# KiCad board beaglebone-ai-rev-a2.kicad_pcb (continued)
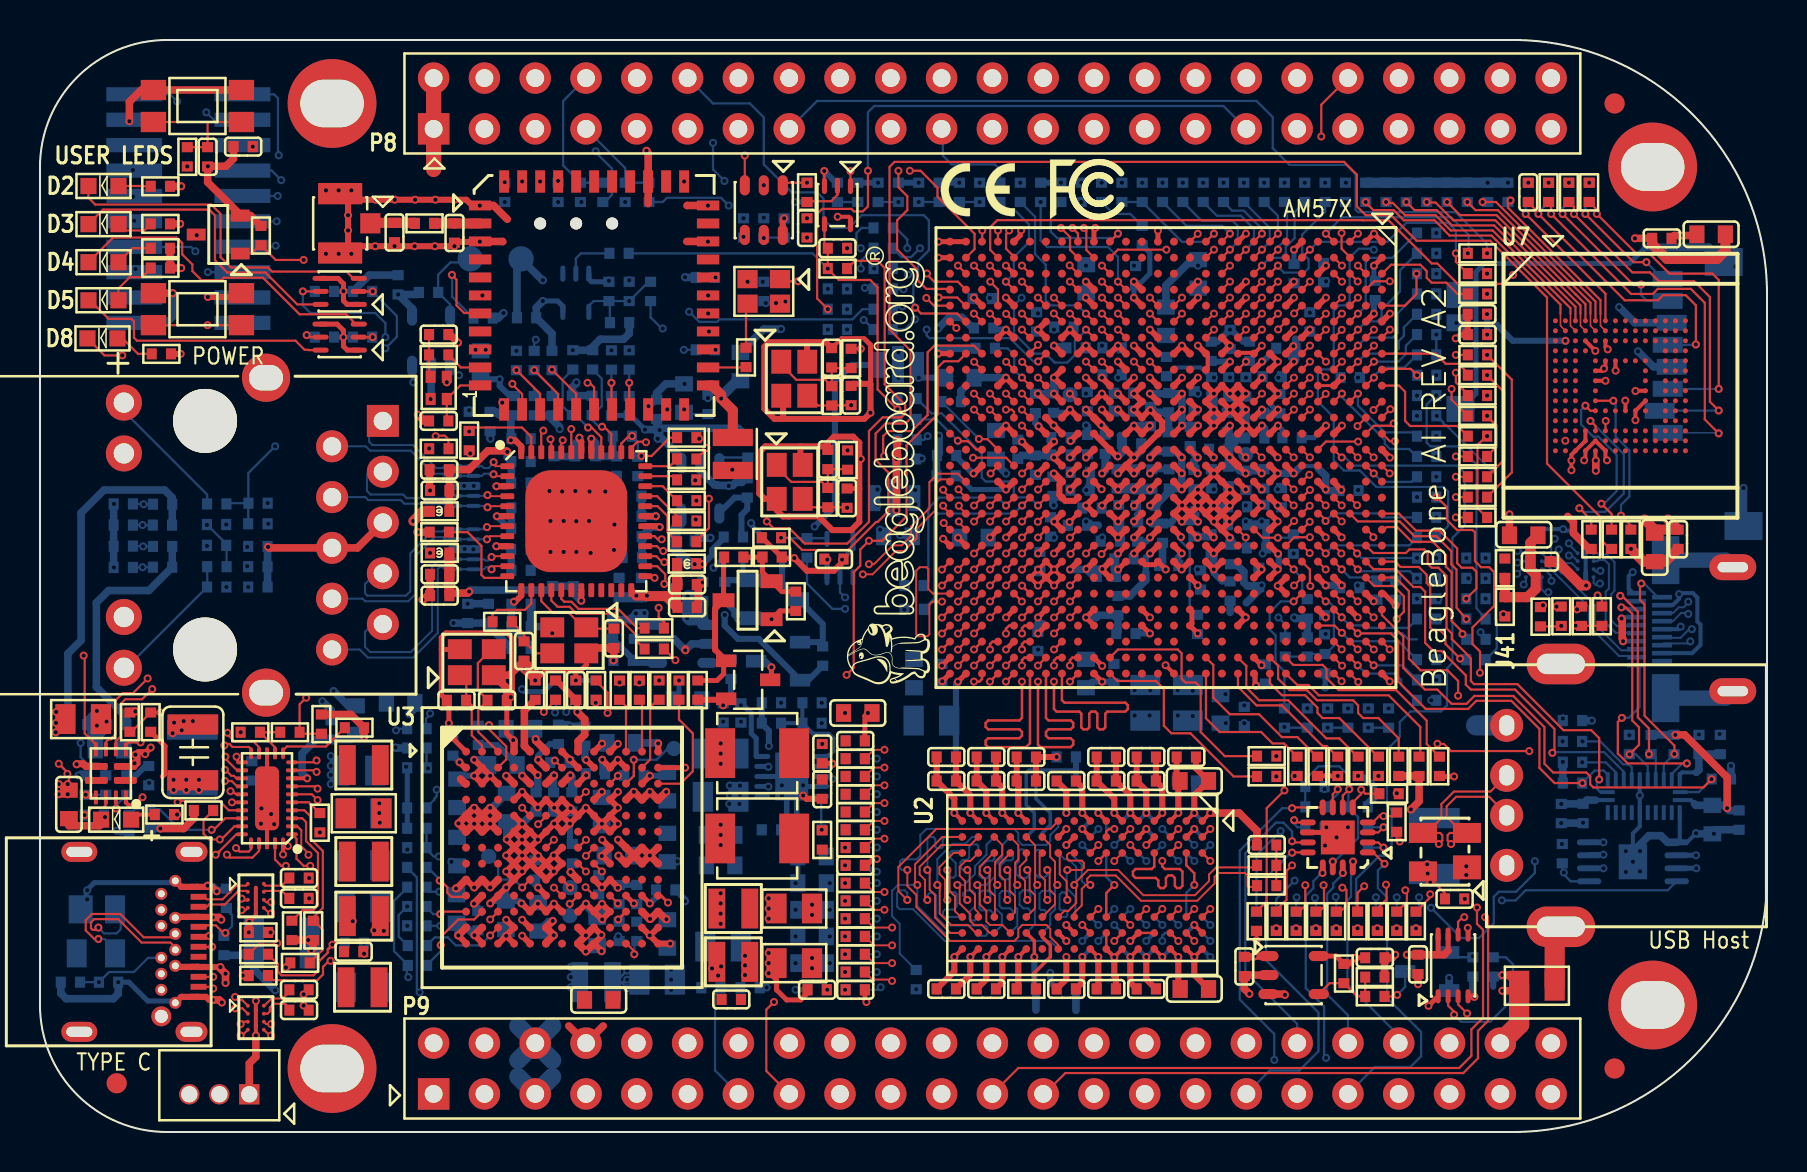
[diagram p0: board, top side]
## Routing (per net, layer and track width the routed paths; a pad name or vN(x,y) marks a point on that pad's centre or on a via; arc(x,y) is an arc through that point) (continued)
/USB/CP2: length 11.6
  TOP w0.114: v1(5.03,19.48) 4.42,19.48 4.29,19.36 U12.3
  INT_L3 w0.102: v1(5.03,19.48) 5.03,20.65 6.02,21.64 6.02,27.36 v1(5.13,28.24)
  BOTTOM w0.114: R75.2 v1(5.13,28.24) 5.12,28.23 R77.1
/USB/CUR_MD: length 6.8
  TOP w0.114: R41.2 13.13,11.1 13.67,11.1 13.9,11.33 13.9,13.95 13.31,14.55 13.31,15.5 13.12,15.69 U13.3
/USB/DIR: length 3.7
  TOP w0.114: U13.11 12.15,19.09 12.34,19.28 14.3,19.28 R45.2
/USB/ENn_CC: length 5.6
  TOP w0.114: v1(12.29,13.31) 12.06,13.31 11.75,13.62 U13.29 ; R50.1 v1(11.53,9.98)
  INT_L3 w0.102: v1(11.53,9.98) 11.48,9.98 11.15,10.31 11.15,11.97 12.29,13.11 v1(12.29,13.31)
/USB/ENn_MUX: length 2.4
  TOP w0.114: U13.12 11.75,19.24 R46.1 R47.2
/USB/ILM: length 1.6
  TOP w0.114: v1(2.24,15.85) 2.59,16.21 3.15,16.21 3.29,16.35 U12.10
/USB/INT/OUT3: length 6.4
  TOP w0.114: v1(8.59,15.11) 8.69,15.11 9.26,15.69 U13.23
  BOTTOM w0.114: v1(8.59,15.11) 7.01,15.11 5.98,16.14 R53.2 4.74,16.14 R69.1
/USB/OV1: length 14.1
  TOP w0.114: v1(5.38,22.68) 4.65,21.95 4.14,21.95 3.78,21.59 3.78,19.89 3.53,19.63 3.43,19.63 3.29,19.5 U12.5
  INT_L3 w0.102: v1(5.13,30.35) 4.44,29.67 4.44,27.81 5.36,26.9 5.36,22.71 v1(5.38,22.68)
  BOTTOM w0.114: R554.2 v1(5.13,30.35) R73.1
/USB/OV2: length 13.1
  TOP w0.114: v1(5.61,22.15) 5.11,21.64 4.27,21.64 4.04,21.41 4.04,19.79 3.79,19.54 U12.4
  INT_L3 w0.102: v1(5.61,22.15) 5.79,22.33 5.79,26.9 4.72,27.97 4.72,28.85 v1(5.16,29.29)
  BOTTOM w0.114: R76.2 v1(5.16,29.29) 5.14,29.3 R78.1
/USB/PORT: length 9.3
  TOP w0.114: R191.1 14.15,9.12 14.15,10.11 13.69,10.56 R35.2 13.67,10.73 14.14,11.2 14.14,14.05 13.55,14.65 13.55,15.76 13.22,16.09 U13.4
/USB/PR1: length 14.8
  TOP w0.114: v1(2.18,23.83) 2.24,23.77 2.24,19.94 2.79,19.38 U12.6
  INT_L3 w0.102: v1(2.18,23.83) 2.92,24.56 2.92,29.13 v1(5.18,31.39)
  BOTTOM w0.114: R72.1 5.17,31.41 v1(5.18,31.39) R71.2
/USB/SCL: length 8.8
  TOP w0.114: U13.26 10.55,14.14 10.44,14.02 9.98,14.02 v1(9.8,14.2) ; R48.1 10.92,9.37 11.79,9.37 11.85,9.44 v1(11.86,9.44)
  INT_L3 w0.102: v1(9.8,14.2) 9.8,13.13 10.85,12.09 10.85,9.93 11.4,9.37 11.79,9.37 11.85,9.44 v1(11.86,9.44)
/USB/SDA: length 9.4
  TOP w0.114: R49.1 v1(10.13,7.82) ; v1(8.79,13.87) 8.8,13.88 8.88,13.88 8.96,13.96 8.96,14.03 9.82,14.89 U13.25
  INT_L3 w0.102: v1(8.79,13.87) 8.79,13.82 8,13.03 8,10.82 8.89,9.93 8.89,9.8 9.11,9.58 9.22,9.58 10.13,8.66 v1(10.13,7.82)
/USB/SS: length 1.5
  TOP w0.114: v1(3.81,16.18) 3.79,16.2 U12.11
  BOTTOM w0.114: v1(3.81,16.18) 3.81,16.33 C44.1
/USB/SSRX1+: length 4.7
  TOP w0.109: U88.A3 10.37,11.58 10.2,11.58 10.11,11.67 v1(10.08,11.67)
  SIG_L10 w0.114: v1(10.08,11.67) 10.06,11.65 9.89,11.65 9.61,11.37 8.25,11.37 7.98,11.64 6.33,11.64 6.07,11.91
  SIG_L10 w0.203: J42.B11 6.07,11.91
/USB/SSRX1-: length 4.6
  TOP w0.109: U88.A4 10.27,11.09 10.12,11.09 10.11,11.1 v1(10.08,11.1)
  SIG_L10 w0.114: v1(10.08,11.1) 10.06,11.07 9.9,11.07 9.87,11.11 9.86,11.1 8.14,11.1 7.87,11.37 6.33,11.37 6.07,11.11
  SIG_L10 w0.203: J42.B10 6.07,11.11
/USB/SSRX1N_A: length 14.1
  TOP w0.109: U13.14 10.95,19.25 10.69,19.51 9.75,19.51 9.72,19.55 9.71,19.55 9.38,19.88 v1(9.38,19.96) ; U88.C4 11.48,10.92 v1(11.56,10.92)
  SIG_L10 w0.114: v1(9.38,19.96) 9.29,19.88 8.72,19.88 8.34,19.5 8.34,16.58 10.77,14.15 10.77,11.34 11.04,11.07 11.43,11.07 11.56,10.95 v1(11.56,10.92) 11.6,10.92
/USB/SSRX1P_A: length 14
  TOP w0.109: v1(9.22,19.34) 9.29,19.41 9.47,19.41 9.63,19.25 10.44,19.25 10.55,19.14 U13.15 ; U88.C3 11.31,11.49 v1(11.56,11.49)
  SIG_L10 w0.114: v1(11.56,11.49) 11.4,11.34 11.15,11.34 11.04,11.46 11.04,11.97 11.15,12.08 11.34,12.08 11.46,12.2 11.46,12.43 11.34,12.54 11.15,12.54 11.04,12.66 11.04,12.88 11.15,13 11.32,13 11.43,13.11 11.43,13.34 11.32,13.46 11.15,13.46 11.04,13.57 11.04,14.26 8.61,16.69 8.61,17.49 8.84,17.72 8.84,17.94 8.61,18.17 8.61,18.4 8.84,18.63 8.84,18.86 8.61,19.09 8.61,19.39 8.83,19.61 9.11,19.61 9.22,19.5 v1(9.22,19.34)
/USB/SSRX2+: length 5.8
  TOP w0.109: v1(8.66,7.18) 8.58,7.26 J42.A11 7.88,7.26 ; U89.A3 10.14,5.52 10.03,5.41 v1(10.03,5.4)
  SIG_L10 w0.114: v1(8.66,7.18) 8.66,7.26 8.53,7.39 8.34,7.39 8.23,7.28 8.23,6.4 8.74,5.89 8.95,5.89 9.13,6.06 9.29,6.06 9.45,5.9 9.45,5.74 9.26,5.55 9.26,5.39 9.41,5.25 9.88,5.25 v1(10.03,5.4)
/USB/SSRX2-: length 5.9
  TOP w0.109: v1(8.66,7.76) 8.66,7.76 J42.A10 7.88,7.76 ; U89.A4 10.11,4.83 v1(10.03,4.83)
  SIG_L10 w0.114: v1(8.66,7.76) 8.56,7.66 8.23,7.66 7.96,7.39 7.96,6.29 9.27,4.98 9.88,4.98 v1(10.03,4.83)
/USB/SSRX2N_A: length 18.2
  TOP w0.109: v1(9.25,18.11) 9.27,18.11 9.57,17.81 9.7,17.81 9.82,17.69 U13.18 ; U89.C4 11.48,4.83 v1(11.56,4.83)
  SIG_L8 w0.109: v1(9.25,18.11) 9.35,18 11.1,18 13.05,16.05 13.05,9.75 13.05,9.75 13.05,7.34 12.67,6.95 12.67,5.71 11.96,5 11.73,5 v1(11.56,4.83)
/USB/SSRX2P_A: length 18.1
  TOP w0.109: U89.C3 11.31,5.4 v1(11.56,5.4) ; v1(9.25,17.55) 9.59,17.55 9.85,17.29 U13.19
  SIG_L8 w0.109: v1(11.56,5.4) 11.65,5.3 11.84,5.3 12.37,5.83 12.37,6.19 12.26,6.3 12.17,6.3 12.06,6.41 12.06,6.62 12.17,6.73 12.26,6.73 12.37,6.84 12.37,7.08 12.75,7.46 12.75,9.87 12.75,9.87 12.75,15.92 12.3,16.38 12.14,16.38 12.08,16.32 11.93,16.32 11.77,16.47 11.77,16.63 11.83,16.69 11.83,16.84 11.68,17 11.52,17 11.46,16.94 11.31,16.94 11.15,17.09 11.15,17.25 11.21,17.31 11.21,17.46 10.97,17.7 9.4,17.7 v1(9.25,17.55)
/USB/SSTX1+: length 2.9
  TOP w0.109: U88.A1 10.3,12.32 9.82,12.32 9.13,11.64 8.35,11.64 8.23,11.76 J42.A2 7.88,11.76
/USB/SSTX1-: length 2.9
  TOP w0.109: U88.A2 10.35,12.06 9.92,12.06 9.24,11.38 8.45,11.38 8.34,11.26 J42.A3 7.88,11.26
/USB/SSTX1N_A: length 1.5
  TOP w0.109: U88.C2 11.24,12.06 12.1,12.06 C444.1
/USB/SSTX1N_C: length 11.1
  TOP w0.109: v1(9.83,18.77) 9.83,18.6 9.94,18.49 10.1,18.49
  SIG_L10 w0.114: v1(13.46,11.68) 13.44,11.71 13.44,11.94 13.55,12.06 13.88,12.06 14.16,12.34 14.16,14.31 13.63,14.83 13.63,16.16 11.54,18.25 11.22,18.25 11.01,18.47 10.76,18.47 10.55,18.25 9.99,18.25 9.72,18.53 9.72,18.69 9.8,18.77 v1(9.83,18.77)
/USB/SSTX1P_A: length 1.5
  TOP w0.109: U88.C1 11.19,12.38 11.26,12.32 12.09,12.32 C443.1
/USB/SSTX1P_C: length 11.1
  TOP w0.109: v1(9.27,18.77) 9.27,18.67 9.85,18.09 U13.17
  SIG_L10 w0.114: v1(9.27,18.77) 9.27,18.6 9.88,17.98 11.43,17.98 13.37,16.05 13.37,14.72 13.89,14.2 13.89,12.45 13.77,12.33 13.55,12.33 13.44,12.44 13.44,12.67 v1(13.46,12.7)
/USB/SSTX2+: length 8.9
  TOP w0.109: U89.A1 10.11,6.6 9.91,6.6 v1(9.75,6.76)
  SIG_L10 w0.114: J42.B2 6.54,7.58 6.72,7.58 6.83,7.47 6.83,7.24 6.93,7.14 7.09,7.14 7.19,7.24 7.19,7.57 7.49,7.87 7.49,8.2 7.91,8.62 10.18,8.62 10.62,8.18 10.62,7.44 9.93,6.76 v1(9.75,6.76)
/USB/SSTX2-: length 9
  TOP w0.109: U89.A2 10.13,6.18 v1(9.75,6.18)
  SIG_L10 w0.114: J42.B3 6.07,7.91 6.12,7.85 7.09,7.85 7.23,7.98 7.23,8.31 7.8,8.88 10.3,8.88 10.88,8.29 10.88,7.33 9.75,6.2 v1(9.75,6.18)
/USB/SSTX2N_A: length 1.8
  TOP w0.109: U89.C2 11.38,5.92 11.49,6.03 11.49,6.22 11.68,6.41 12.26,6.41 12.47,6.2 C445.1
/USB/SSTX2N_C: length 15.1
  TOP w0.109: C445.2 13.21,6.32 v1(13.18,6.32) ; v1(9.52,17.04) 9.64,17.04 9.79,16.89 U13.20
  SIG_L10 w0.114: v1(13.18,6.32) 13.18,6.35 13.37,6.54 13.59,6.54 14.01,6.96 14.01,7.81 13.02,8.79 13.02,14.56 12.73,14.86 12.73,15.7 11.52,16.9 9.66,16.9 v1(9.52,17.04)
/USB/SSTX2P_A: length 1.7
  TOP w0.109: C446.1 12.47,7.01 12.14,6.68 11.58,6.68 11.22,6.31 U89.C1
/USB/SSTX2P_C: length 15
  TOP w0.109: v1(13.18,6.88) 13.21,6.88 C446.2 ; v1(9.6,16.48) 9.6,16.49 U13.21
  SIG_L10 w0.114: v1(13.18,6.88) 13.26,6.81 13.26,6.81 13.48,6.81 13.74,7.07 13.74,7.7 13.45,7.99 13.28,7.99 13.18,7.89 13.02,7.89 12.85,8.05 12.85,8.21 12.96,8.32 12.96,8.48 12.76,8.68 12.76,14.45 12.46,14.75 12.46,15.59 11.41,16.64 10.69,16.64 10.57,16.52 10.57,16.32 10.46,16.21 10.23,16.21 10.12,16.32 10.12,16.52 10,16.64 9.75,16.64 v1(9.6,16.48)
/WiFi/LPO_IN_32K: length 1.9
  TOP w0.114: R576.2 35.29,38.23 U37.24
/WiFi/MMC4_DATA0_R: length 2.7
  TOP w0.114: v1(28.58,37.47) 28.58,36.17 U37.18
  BOTTOM w0.114: R564.2 v1(28.58,37.47) R336.2
/WiFi/MMC4_DATA1_R: length 2.7
  TOP w0.114: U37.19 29.46,36.18 v1(29.46,37.47)
  BOTTOM w0.114: R565.2 v1(29.46,37.47) R337.2
/WiFi/MMC4_DATA2_R: length 4.1
  TOP w0.114: U37.14 25.01,36.91 v1(23.83,38.1)
  BOTTOM w0.114: R561.2 24.71,37.21 v1(23.83,38.1)
/WiFi/MMC4_DATA3_R: length 4.1
  TOP w0.114: v1(24.71,38.1) 25.91,36.9 U37.15
  BOTTOM w0.114: v1(24.71,38.1) 25.6,37.21 R562.2
/WiFi/WIFI/BT_VDDIO: length 1.4
  BOTTOM w0.114: v1(32.21,36.13) 32.21,36.13 C3.1 32.3,35.9 R611.1
/WiFi/WIFI_LDO_IN: length 4.6
  TOP w0.508: U37.23 33.6,37.33 34.06,36.87 v1(34.06,36.68) 34.65,36.09 L30.2
  BOTTOM w0.508: C464.1 34.85,37.57 34.06,36.78 v1(34.06,36.68)
/WiFi/WIFI_LDO_OUT: length 5
  TOP w0.381: U37.21 v1(31.37,36.13)
  SIG_L5 w0.508: v1(34.62,33.12) 34.62,33.83 33.15,35.31 32.2,35.31 v1(31.37,36.13)
/WiFi/X4_XTAL_IN: length 1.9
  TOP w0.114: U37.10 21.05,38.23 R294.2
/WiFi/X4_XTAL_IN_R: length 2.1
  TOP w0.114: C463.1 R294.1 19.46,37.84 X4.3
/WiFi/X4_XTAL_OUT: length 3.1
  TOP w0.114: U37.11 21.02,37.33 X4.1 20.34,35.64 C68.1
A3_GPIO4_27: length 5.3
  TOP w0.114: R682.1 70.89,41.91 70.32,42.47 69.59,42.47 69.34,42.72 69.34,43.05 69.02,43.37 67.56,43.37 67.12,42.93 U4.A3
A5_VOUT1_D12: length 3
  TOP w0.114: v1(68.83,42.93) 68.83,41.91 68.25,41.33 U4.A5
A7_GPIO8_18: length 34.6
  TOP w0.114: U4.A7 v1(67.5,40.13)
  SIG_L8 w0.102: P8.17 40,50.1 41.08,49.02 43.69,49.02 44.2,48.51 46.86,48.51 47.43,47.94 47.43,47.54 48.87,46.1 53.72,46.1 54,45.82 61.05,45.82 61.46,45.41 61.46,43.98 61.76,43.68 62.11,43.68 62.29,43.5 62.29,42.42 62.61,42.1 62.86,42.1 63.12,41.85 63.12,40.72 63.33,40.51 67.12,40.51 v1(67.5,40.13)
A8_GPIO8_19: length 4.8
  TOP w0.114: R667.1 71.4,37.95 70.93,38.42 70.29,38.42 69.79,38.92 U4.A8
A9_GPIO8_21: length 1.9
  TOP w0.114: v1(68.86,37.85) 68.54,38.16 67.37,38.16 67.33,38.12 U4.A9
A10_GPIO8_23: length 6.2
  TOP w0.114: R665.1 70.89,35.31 68.52,35.31 68.26,35.56 68.26,37.02 67.96,37.32 U4.A10
A11_SPI3_D1: length 28.2
  TOP w0.114: v1(66.22,12.29) 65.89,11.96 R643.1 ; U4.A11 v1(66.68,36.1)
  SIG_L10 w0.102: v1(66.68,36.1) 66.68,34.5 66.29,34.11 66.29,33.55 66.52,33.32 66.88,33.32 67.06,33.15 67.06,32.39 67.67,31.78 67.67,30.86 68.45,30.07 68.45,20.54 66.52,18.61 66.52,17.22 66.81,16.93 66.81,16.07 66.32,15.57 66.32,12.42 66.22,12.32 v1(66.22,12.29)
A12_SPI3_CS0: length 57.3
  TOP w0.114: U4.A12 v1(67.52,36.15)
  SIG_L5 w0.102: v1(67.52,36.15) 69.25,34.42 71.22,34.42 71.93,33.71 71.93,30.81 72.82,29.92 72.82,28.12 73.55,27.39 73.55,27.13 73.57,27.13 73.76,26.93 73.76,25.5 72.39,24.13 72.39,22.73 71.93,22.28 71.93,12.17 72.69,11.4 72.69,10.62 71.58,9.5 70.05,9.5 68.94,10.62 65.67,10.62 65.51,10.45 65.51,9.06 63.88,7.43 63.88,6.58 62.89,5.59 57.09,5.59 56.52,5.02 56.52,3.94 55.94,3.37 53.78,3.37 P9.28
A13_TIMER10: length 50.4
  TOP w0.114: v1(67.75,34.54) 67.5,34.54 67.12,34.93 U4.A13
  SIG_L8 w0.102: P8.10 31.05,51.5 31.05,49.53 31.62,48.96 33.02,48.96 33.91,48.07 37.21,48.07 38.19,47.09 45.3,47.09 46.86,45.53 49.78,45.53 50.86,44.45 55.14,44.45 55.84,43.74 56.48,43.74 56.71,43.97 58.15,43.97 59.23,42.88 59.65,42.88 59.89,42.64 59.89,39.99 60.71,39.18 60.71,38.35 60.9,38.16 61.21,38.16 61.47,37.91 61.47,37.59 61.72,37.34 62.04,37.34 62.29,37.08 62.29,36.77 62.55,36.51 62.86,36.51 63.12,36.26 63.12,35.94 63.37,35.69 63.69,35.69 63.88,35.5 63.88,35.12 64.07,34.93 66.23,34.93 66.61,34.54 v1(67.75,34.54)
A21_UART8_TXD: length 7.9
  TOP w0.114: v1(71.02,23.67) 70.28,24.41 70.28,24.82 70,25.1 69.65,25.1 69.52,25.22 69.52,27.28 69.34,27.46 69.34,27.86 68.95,28.26 68.03,28.26 67.77,28.53 U4.A21
  BOTTOM w0.114: v1(71.02,23.67) 71.07,23.62 R627.1
A22_SPI2_CS1: length 52.8
  TOP w0.114: U4.A22 67.78,27.73 68.45,27.05 68.45,23.67 69.04,23.09 70.38,23.09 70.91,22.56 v1(70.91,21.82) ; v1(71.86,11.23) 71.86,10.41 72.16,10.11 72.16,5.72 71.58,5.13 71.58,3.81 70.97,3.2 48.92,3.2 P9.23
  SIG_L5 w0.102: v1(70.91,21.82) 71.42,21.31 71.42,14.02 70.87,13.46 70.87,12.45 71.09,12.22 71.22,12.22 71.91,11.53 71.91,11.28 v1(71.86,11.23)
A26_UART3_RXD: length 5.1
  TOP w0.114: U4.A26 v1(67.49,24.13)
  INT_L3 w0.102: v1(67.49,24.13) 67.49,23.3 67.12,22.92 65.79,22.92 65.47,22.61 65.47,21.25 v1(65.41,21.18)
AB5_MMC3_DATA7: length 34.8
  TOP w0.114: U4.AB5 v1(49.9,41.73)
  SIG_L8 w0.102: v1(49.9,41.73) 49.66,41.73 49.28,41.34 46.39,41.34 45.21,42.52 42.11,42.52 42.01,42.62 40.18,42.62 39.83,42.27 39.83,41.96 39.65,41.78 38.05,41.78 36.32,43.51 35.84,43.51 33.96,45.39 31.93,45.39 29.72,47.6 27.84,47.6 25.93,49.5 25.93,50.93 25.37,51.49 23.44,51.49 P8.4
AB8_MMC3_DATA6: length 34.5
  TOP w0.114: v1(49.91,38.53) 49.92,38.53 49.92,38.54 U4.AB8
  SIG_L8 w0.102: v1(44.34,40.13) 44.17,40.13 44.04,40.26 42.7,40.26 41.96,41 40.89,41 40.69,40.79 35.6,40.79 35,41.39 35,43.18 34.24,43.94 32.46,43.94 29.36,47.04 27.44,47.04 25.95,48.54 23.85,48.54 P8.3
  BOTTOM w0.114: v1(44.34,40.13) 44.34,39.84 44.48,39.7 48.5,39.7 49.66,38.54 49.91,38.54 49.9,38.54 49.92,38.54 49.92,38.53 v1(49.91,38.53)
AB10_GPIO6_12: length 51.1
  TOP w0.114: U4.AB10 v1(49.9,37.73)
  SIG_L8 w0.102: v1(33.07,7.21) 33.42,6.86 36.85,6.86 37.21,6.5 v1(40.21,6.5)
  SIG_L10 w0.102: v1(49.9,37.73) 50.35,37.28 50.35,36.78 50.56,36.57 51.75,36.57 51.89,36.42 51.89,34.41 51.65,34.16 43.84,34.16 42.24,32.57 42.24,30.94 40.79,29.49 40.79,27.94 39.88,27.03 39.88,19.23 40.28,18.82 40.28,15.39 40.79,14.88 40.79,6.81 40.49,6.5 v1(40.21,6.5)
AC3_MMC3_DATA3: length 32.6
  TOP w0.114: U4.AC3 v1(49.1,43.33)
  SIG_L8 w0.102: v1(49.1,43.33) 48.7,42.93 46.53,42.93 46.3,43.15 46.3,43.89 45.11,45.09 40.54,45.09 39.5,44.04 37.54,44.04 36.44,45.15 36.09,45.15 35.74,45.5 35.74,45.9 35.53,46.1 34.8,46.1 34.65,45.95 32.98,45.95 32.77,46.16 32.77,47.69 32.51,47.94 27.94,47.94 26.19,49.7 26.19,51.35 24.83,52.71 P8.6
AC4_MMC3_CMD: length 15.7
  TOP w0.114: U4.AC4 v1(49.1,42.53)
  INT_L3 w0.102: P8.20 43.81,51.44 43.81,49.59 44.58,48.83 45.73,48.83 46.66,47.9 48.23,47.9 48.59,47.55 48.59,47.24 49.17,46.66 49.17,46.13 49.53,45.78 49.53,44.27 48.75,43.49 48.75,42.88 v1(49.1,42.53)
AC6_MMC3_DATA1: length 15.9
  TOP w0.114: U4.AC6 v1(49.1,40.93)
  INT_L3 w0.102: P8.24 46.42,51.5 46.42,49.34 47.05,48.7 49.09,48.7 49.66,48.13 49.66,46.36 50.01,46 50.01,42.39 49.53,41.91 49.53,41.53 49.1,41.1 v1(49.1,40.93)
AC7_MMC3_DATA0: length 11.4
  TOP w0.114: U4.AC7 v1(49.1,40.13)
  INT_L3 w0.102: v1(49.1,40.13) 49.53,40.55 49.53,41.07 49.75,41.29 50.05,41.29 50.29,41.54 50.29,46.23 50.42,46.36 50.42,49.91 P8.25
AC8_MMC3_DATA4: length 17.6
  TOP w0.114: v1(49.9,39.36) 49.5,38.96 U4.AC8
  INT_L3 w0.102: P8.23 48.77,51.31 50.74,51.31 51.5,50.55 51.5,49.28 50.67,48.45 50.67,42.74 51.06,42.35 51.06,41.58 50.85,41.37 50.63,41.37 50.34,41.08 50.34,40.06 49.9,39.62 v1(49.9,39.36)
AC9_MMC3_DATA2: length 29.9
  TOP w0.114: U4.AC9 v1(49.11,38.52)
  SIG_L8 w0.102: v1(43.18,40.64) 42.06,41.76 40.84,41.76 40.61,41.52 37.98,41.52 36.25,43.26 35.74,43.26 33.86,45.14 31.75,45.14 29.57,47.32 27.61,47.32 P8.5
  SIG_L10 w0.102: v1(43.18,40.64) 44.07,39.75 47.88,39.75 48.84,38.79 48.84,38.78 v1(49.11,38.52)
AD4_MMC3_CLK: length 5.2
  BOTTOM w0.114: P8.21 45.15,50.1 45.15,48.83 45.59,48.39 47.75,48.39 48.01,48.13 R585.1
AD6_MMC3_DATA5: length 16.3
  TOP w0.114: U4.AD6 v1(48.31,40.92)
  INT_L3 w0.102: P8.22 45.97,51.82 45.97,49.09 46.8,48.26 48.83,48.26 49.4,47.69 49.4,46.23 49.76,45.87 49.76,42.52 49.34,42.1 48.96,42.1 48.7,41.85 48.7,41.31 v1(48.31,40.92)
AD9_EQEP1A_IN: length 9.5
  TOP w0.114: U4.AD9 v1(48.31,38.52)
  INT_L3 w0.102: v1(48.31,38.52) 47.58,38.52 47.19,38.13 46.48,38.13 45.29,39.32 43.13,39.32 42.65,39.8 40.69,39.8 v1(40.36,40.13)
AE2_GPIO3_24: length 76.6
  TOP w0.114: v1(73.66,42.86) 73.22,42.42 70.89,42.42 69.88,43.43 69.6,43.43 67.44,45.59 66.17,45.59 66.16,45.6 47.87,45.6 47.52,45.25 47.52,44.11 U4.AE2
  SIG_L5 w0.102: v1(69.56,11.21) 69.53,11.21 69.42,11.33 68.63,11.33 68.45,11.51 68.45,11.73 68.68,11.96 68.68,12.32 68.45,12.55 68.1,12.55 67.54,11.99 67.11,11.99 66.95,12.14 66.62,12.14 66.24,11.76 v1(64.8,11.76) ; v1(73.66,42.86) 74.73,41.8 74.73,30.71 74.78,30.66 74.78,27.13 74.45,26.8 74.45,25.18 73.08,23.81 73.08,22.61 74.85,20.83 74.85,13.64 v1(74.75,13.54)
  BOTTOM w0.114: v1(74.75,13.54) 74.75,12.95 73.81,12.01 72.95,12.01 72.69,11.76 72.69,10.44 71.96,9.7 71.07,9.7 v1(69.56,11.21) ; R653.1 64.82,11.73 v1(64.8,11.76)
AF8_TIMER13: length 43
  TOP w0.114: U4.AF8 46.7,39.33 44.72,39.33 44.39,38.99 44.39,35.85 43.59,35.05 42.42,35.05 42.16,34.8 42.16,33.86 v1(42.21,33.81)
  SIG_L8 w0.102: v1(67.44,21.18) 67.41,21.18 66.98,20.75 63.02,20.75 62.81,20.96 59.66,20.96 58.29,22.33 58.29,23.29 56.64,24.94 56.64,26.06 54.18,28.52 51.36,28.52 51.1,28.78 51.1,29.9 50.88,30.12 49.71,30.12 49.53,30.3 49.53,30.66 49.28,30.91 48.18,30.91 47.9,31.19 47.9,31.52 47.7,31.72 46.96,31.72 45.49,33.2 42.67,33.2 42.21,33.66 v1(42.21,33.81)
AF9_EQEP1B_IN: length 8.7
  TOP w0.114: U4.AF9 v1(46.71,38.52)
  INT_L3 w0.102: v1(46.71,38.52) 46.71,39.27 46.43,39.55 43.23,39.55 42.62,40.16 40.97,40.16 40.36,40.77 v1(40.36,41.15)
AG4_GPIO3_12: length 49.9
  TOP w0.114: P9.15 36.32,3.05 36.32,6.12 v1(36.7,6.5) ; U4.AG4 46.29,42.13 45.9,42.52 44.72,42.52 44.35,42.88 v1(44.35,42.93)
  SIG_L10 w0.102: v1(44.35,42.93) 44.06,42.93 43.69,43.31 43.24,43.31 42.72,42.79 42.72,40.18 40.69,38.15 39.29,38.15 38.1,36.96 38.1,23.75 35.94,21.59 35.94,16.71 36.83,15.82 36.83,7.49 36.7,7.37 v1(36.7,6.5)
AG6_GPIO3_10: length 25.1
  TOP w0.114: v1(43.76,41.22) 44.06,40.93 45.87,40.93 46.27,40.52 U4.AG6
  BOTTOM w0.114: v1(43.76,41.22) 43.76,41.33 43.67,41.42 43.67,42.35 43.92,42.6 43.92,43.56 44.45,44.09 44.45,45.59 44.2,45.85 41.08,45.85 40.45,45.21 39.62,45.21 39.18,45.66 39.18,46.67 38.86,46.99 37.59,46.99 36.19,48.39 36.19,50.74 35.5,51.44 33.66,51.44 P8.12
AH4_GPIO3_11: length 19.8
  TOP w0.114: U4.AH4 45.47,42.16 44.32,42.16 43.85,42.63 43.85,43.14 42.86,44.13 42.86,45.59 43.37,46.1 43.37,46.8 42.93,47.24 v1(42.93,48.07)
  SIG_L8 w0.102: v1(42.93,48.07) 41.97,48.07 41.58,47.68 38.68,47.68 37.97,48.39 34.16,48.39 P8.11
AH5_PWR_ST: length 66.3
  TOP w0.114: U4.AH5 44.7,41.33 v1(44.32,41.71)
  INT_L3 w0.102: v1(14.99,22.86) 14.99,23.1 16.07,24.18 18.59,24.18 20.83,26.42 20.83,36.35 21.49,37.01 22.48,37.01 22.66,36.83 22.66,36.25 22.81,36.09 24.18,36.09 25.2,37.11 25.2,39.5 27.89,42.19 29.77,42.19 30.76,43.18 38.18,43.18 38.79,42.57 41.88,42.57 42.75,41.71 v1(44.32,41.71)
  SIG_L10 w0.102: v1(14.99,22.86) 14.07,22.86 13.67,22.45 13.67,21.26 12.7,20.29 10.97,20.29 10.31,20.96 6.53,20.96 6.07,20.5 4.39,20.5 3.35,19.46 v1(2.03,19.46)
  BOTTOM w0.114: R81.2 3.29,18.07 2.95,18.42 2.36,18.42 2.03,18.75 v1(2.03,19.46)
AIN0: length 14.7
  TOP w0.114: v1(64.13,12.95) 64.15,12.97 U78.13
  SIG_L5 w0.102: v1(64.31,3.71) 64.8,3.23 66.65,3.23 67.94,1.93 P9.39
  BOTTOM w0.114: v1(64.31,3.71) 64.21,3.81 64.21,6.27 63.3,7.19 63.3,11.81 63.68,12.19 63.68,12.55 64.08,12.95 v1(64.13,12.95)
AIN1: length 10.6
  TOP w0.114: U78.16 65.65,13.51 v1(65.66,13.53)
  BOTTOM w0.114: v1(65.66,13.53) 65.56,13.42 65.56,11.76 65.38,11.58 65.38,7.39 67.94,4.83 P9.40
AIN2: length 16.2
  TOP w0.114: U78.1 66.66,13.98 v1(67.23,13.41)
  BOTTOM w0.114: P9.37 66.75,3.25 68.53,3.25 69.06,3.78 69.06,5 67.36,6.71 67.36,11.73 66.9,12.19 66.9,13.08 v1(67.23,13.41)
AIN3: length 9.5
  TOP w0.114: U78.15 65.15,12.96 v1(65.15,12.95)
  BOTTOM w0.114: P9.38 65.41,5.84 64.36,6.88 64.36,11.91 64.67,12.22 64.67,12.42 65.15,12.9 v1(65.15,12.95)
AIN4: length 16.9
  TOP w0.114: U78.12 62.62,13.98 v1(62.61,13.97)
  BOTTOM w0.114: v1(62.61,13.97) 62.56,13.97 61.32,12.73 61.32,8.59 63.93,5.97 63.93,4.04 62.97,3.07 61.49,3.07 P9.33
AIN5: length 15
  TOP w0.114: v1(62.61,14.54) 62.67,14.48 U78.11
  BOTTOM w0.114: v1(62.61,14.54) 62.61,15.04 62.18,15.47 61.8,15.47 60.27,13.94 60.27,8 62.86,5.41 P9.36
AIN6: length 18.4
  TOP w0.114: U78.8 62.65,16.23 v1(62.61,16.19)
  PWR_L6 w0.102: v1(61.72,3.61) 61.72,3.05 P9.35
  BOTTOM w0.114: v1(61.72,3.61) 61.72,4.9 59.99,6.63 59.99,14.07 62.12,16.19 v1(62.61,16.19)
B3_GPIO4_28: length 22.9
  TOP w0.114: U4.B3 v1(65.9,43.33)
  SIG_L8 w0.102: v1(65.9,43.33) 65.9,43.44 65.41,43.94 64.64,43.94 63.94,44.64 63.94,45.78 62.89,46.84 54.83,46.84 54.48,47.18 54.48,48.2 53.91,48.77 51.75,48.77 51.31,49.21 51.31,51.56 P8.26
B4_GPIO4_29: length 41.4
  TOP w0.114: U4.B4 66.72,42.55 v1(67.5,42.55)
  INT_L3 w0.102: v1(67.5,42.55) 67.5,45.4 66.87,46.04 66.87,48.2 66.36,48.7 66.36,50.93 65.66,51.63 52.01,51.63 51.43,52.2 51.43,53.34 50.99,53.78 38.54,53.78 P8.16
B7_GPIO8_16: length 5.8
  TOP w0.114: R663.1 v1(70.8,38.86) ; U4.B7 v1(66.7,40.13)
  SIG_L5 w0.102: v1(70.8,38.86) 70.28,38.86 70.03,39.12 69.34,39.12 68.71,39.75 67.38,39.75 67,40.13 v1(66.7,40.13)
B8_GPIO8_17: length 21
  TOP w0.114: U4.B8 v1(66.7,39.33) ; R688.1 77,26.28 v1(76.86,26.14)
  SIG_L5 w0.102: v1(66.7,39.33) 67,39.33 67.08,39.24 68.3,39.24 68.91,38.63 69.7,38.63 70.45,37.88 70.45,37.83 70.66,37.62 71.15,37.62 71.86,36.91 71.86,35.81 72.8,34.87 72.8,32.48 73.15,32.12 v1(73.45,32.12)
  SIG_L10 w0.102: v1(76.86,26.14) 76.86,28.42 77.05,28.6 77.05,29.8 75.57,31.28 74.85,31.28 74.56,31.56 74.04,31.56 73.48,32.12 v1(73.45,32.12)
B9_GPIO8_22: length 3.5
  TOP w0.114: U4.B9 v1(66.7,38.53)
  BOTTOM w0.114: v1(66.7,38.53) 67.93,38.53 68.3,38.9 68.3,39.32 R621.1
B10_VOUT1_DE: length 3.2
  TOP w0.114: U4.B10 v1(66.7,37.73)
  BOTTOM w0.114: R620.1 68.22,38.23 67.13,38.23 66.7,37.8 v1(66.7,37.73)
B12_SPI3_SCLK: length 30.9
  TOP w0.114: U4.B12 v1(65.88,35.3)
  SIG_L10 w0.102: v1(66.8,11.73) 66.85,11.79 66.85,12.83 67.01,12.98 67.46,12.98 67.69,13.21 67.69,13.92 67.56,14.05 67.56,16.03 67.18,16.41 67.18,17.35 67.34,17.5 67.34,19.08 68.81,20.55 68.81,25.98 69.22,26.39 69.22,29.79 68.14,30.87 68.14,33.78 67.83,34.09 67.32,34.09 67.12,34.29 67.12,36.21 66.83,36.5 66.42,36.5 66.27,36.35 66.27,35.69 v1(65.88,35.3)
  BOTTOM w0.114: R645.1 66.8,11.1 v1(66.8,11.73)
B13_SPI3_D0: length 56.5
  TOP w0.114: v1(67.69,35.43) 67.58,35.32 66.7,35.32 U4.B13
  SIG_L5 w0.102: P9.30 55.24,5.41 55.68,5.84 62.66,5.84 63.56,6.75 63.56,7.62 65.28,9.33 65.28,10.58 65.54,10.85 69.04,10.85 70.13,9.75 71.5,9.75 71.81,10.06 71.81,10.72 71.4,11.13 70.94,11.13 70.64,11.43 70.64,13.61 71.17,14.15 71.17,15.29 70.18,16.28 70.18,17.81 71.04,18.67 71.04,20.35 70.23,21.16 70.23,23.5 70.97,24.23 72.16,24.23 73.53,25.6 73.53,26.82 73.28,27.07 73.28,27.33 72.39,28.22 72.19,28.22 71.93,28.47 71.93,30.23 71.63,30.53 71.63,33.55 71.04,34.14 69.01,34.14 68.38,34.77 68.38,34.9 67.84,35.43 v1(67.69,35.43)
B14_MCASP_ACLKR: length 77.7
  TOP w0.114: U4.B14 v1(66.69,33.73)
  SIG_L8 w0.102: P9.12 33.4,3.43 33.43,3.43 33.78,3.07 51.38,3.07 51.56,3.25 67.97,3.25 68.91,4.19 68.91,6.45 69.55,7.09 69.55,9.98 70.13,10.57 70.13,13.61 69.55,14.2 69.55,14.66 70.64,15.75 70.64,16.81 71.58,17.75 71.58,20.9 72.62,21.95 72.62,23.98 73.98,25.34 73.98,27.04 72.73,28.3 71.17,28.3 69.56,29.91 68.53,29.91 67.97,29.35 66.4,29.35 66.03,29.72 66.03,30.66 67.11,31.74 67.11,33.32 66.7,33.73 v1(66.69,33.73)
B19_UART5_RXD: length 14.4
  TOP w0.114: R687.1 78.1,26.62 v1(77.89,26.84) ; v1(66.67,29.74) 66.67,29.79 66.34,30.13 U4.B19
  SIG_L8 w0.102: v1(77.89,26.84) 77.77,26.95 76.95,26.95 74.26,29.64 73.23,29.64 72.69,29.11 71.04,29.11 70,30.15 67.08,30.15 v1(66.67,29.74)
B22_UART3_TXD: length 9.1
  TOP w0.114: U4.B22 66.72,27.31 67.69,27.31 68.2,26.8 68.2,26.01 v1(67.84,25.65)
  INT_L3 w0.102: v1(67.84,25.65) 68.17,25.32 68.17,22.53 67.51,21.87 67.11,21.87 v1(66.42,21.18)
B24_SPI2_CS0: length 18.7
  TOP w0.114: U4.B24 v1(66.69,25.73)
  SIG_L5 w0.102: v1(66.69,25.73) 66.31,25.35 65.74,25.35 65.51,25.12 65.51,24.74 65.33,24.56 64.9,24.56 64.49,24.16 64.49,22.56 64.87,22.17 64.87,21.18 65.48,20.57 65.48,20.04 63.09,17.65 63.09,12.98 62.74,12.62 v1(62.74,12.57)
  BOTTOM w0.114: v1(62.74,12.57) 61.82,11.66 R632.1
B26_TIMER15: length 5.2
  TOP w0.114: U4.B26 v1(66.7,24.13)
  INT_L3 w0.102: v1(66.7,24.13) 66.43,23.86 66.42,23.86 66.31,23.75 65.02,23.75 64.71,23.43 64.71,21.5 v1(64.39,21.18)
C1_GPIO4_7: length 38.9
  TOP w0.114: v1(68.28,12.09) 68.35,12.01 68.35,11.51 67.87,11.02 R580.1 ; U4.C1 v1(65.9,44.93)
  SIG_L10 w0.102: v1(68.28,12.09) 68.28,13.06 68.66,13.44 68.66,14.95 69,15.29 69,19.99 70.02,21.01 70.02,22.25 70.33,22.56 70.33,32.03 69.98,32.39 69.66,32.39 68.94,33.11 68.94,35.39 69.22,35.67 69.22,35.96 67.94,37.23 67.94,39.31 68.17,39.54 68.17,41.56 67.94,41.79 67.94,44.32 67.77,44.5 66.33,44.5 v1(65.9,44.93)
C2_GPIO4_14: length 42.5
  TOP w0.114: v1(65.09,44.96) 65.09,44.17 65.5,43.75 U4.C2
  SIG_L10 w0.102: v1(65.09,44.96) 65.53,45.4 67.42,45.4 68.2,44.63 68.2,41.86 68.4,41.65 68.4,39.13 68.2,38.93 68.2,37.4 68.41,37.19 69.01,37.19 69.22,36.98 69.22,36.28 69.44,36.06 69.44,35.57 69.22,35.34 69.22,33.84 69.78,33.27 70.99,33.27 71.18,33.08 71.18,30.29 70.61,29.72 70.61,22.49 70.29,22.17 70.29,20.87 69.25,19.83 69.25,15.05 68.96,14.76 68.96,13.39 68.66,13.08 68.66,11.99 68.91,11.73 v1(68.96,11.73)
  BOTTOM w0.114: R578.1 68.96,11.18 v1(68.96,11.73)
C3_GPIO4_15: length 25.3
  TOP w0.114: v1(75.16,26.34) 75.07,26.25 R668.1 ; U4.C3 v1(65.89,42.53)
  SIG_L5 w0.102: v1(74.27,30.94) 74.47,31.14 74.47,40.77 72.95,42.29 69.55,42.29 69.14,41.88 66.54,41.88 v1(65.89,42.53)
  SIG_L10 w0.102: v1(75.16,26.34) 75.07,26.43 75.07,27.14 75.16,27.23 75.16,30.05 v1(74.27,30.94)